# Altium PCB Angler_Main_PCB_V2.PcbDoc (part 1 of 2) (continued)
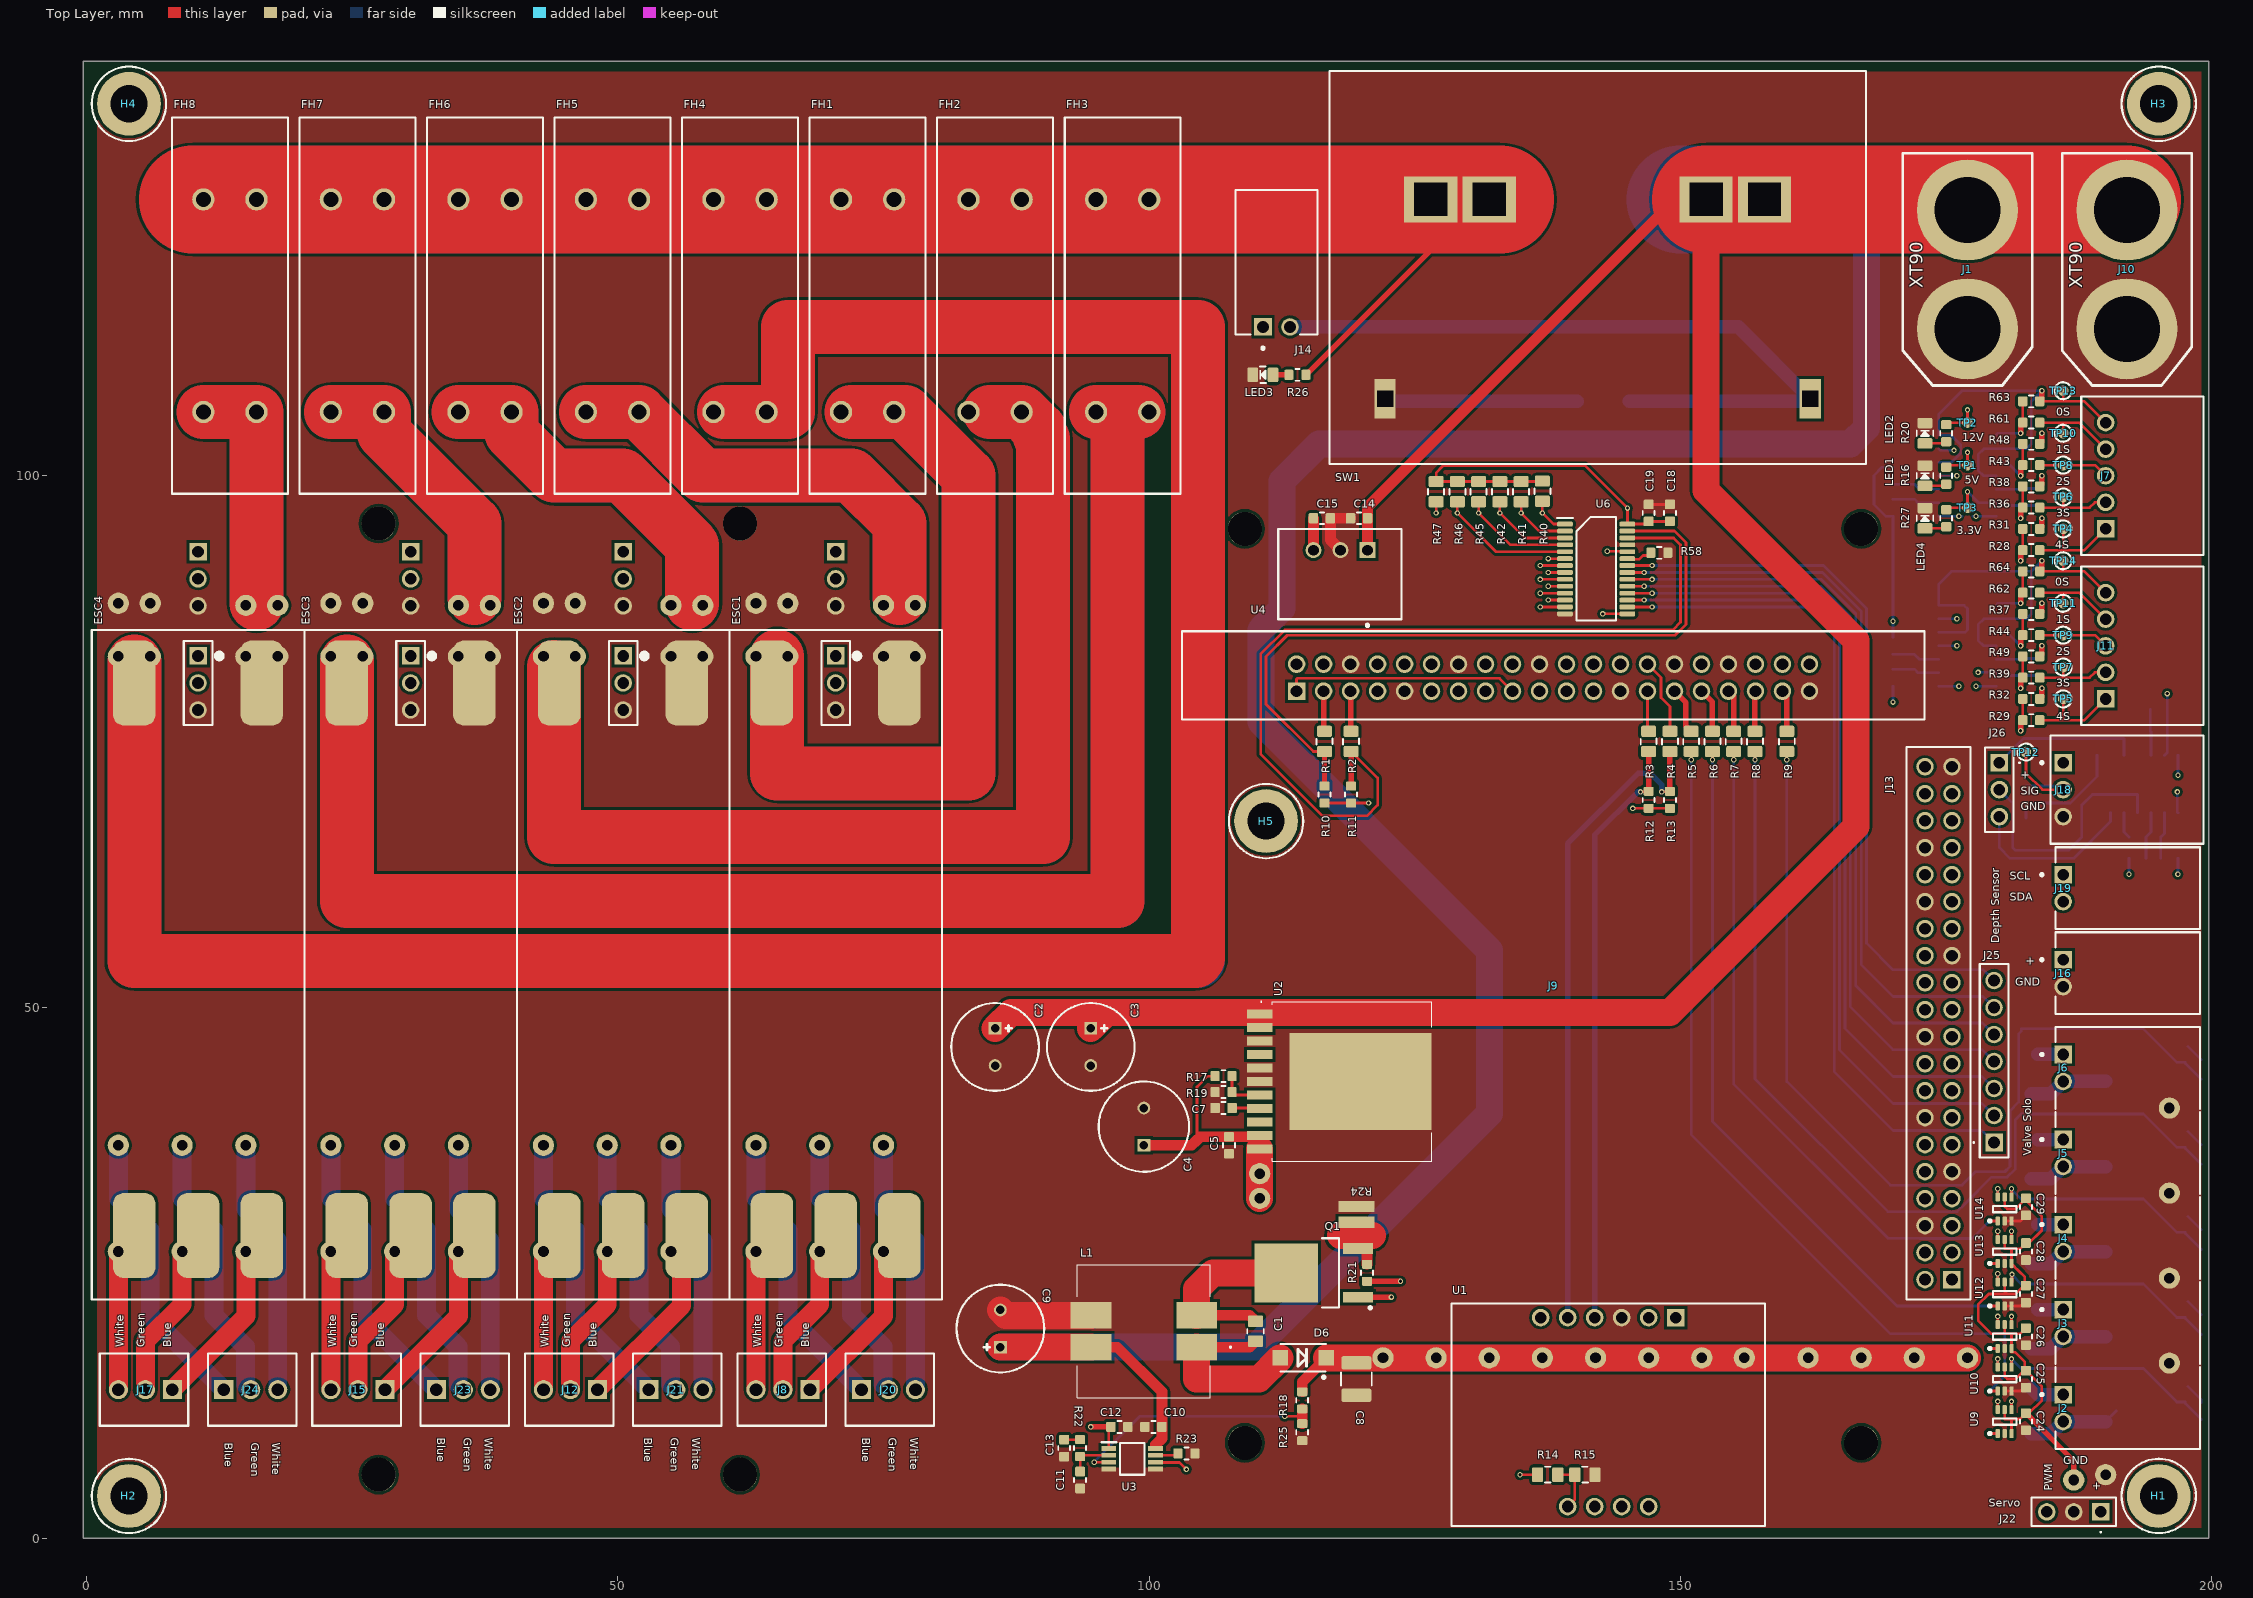
[diagram p0: Top Layer view]
## Components (designator, comment, footprint, x,y, rotation, side; value= is the part's Value field where it differs from the comment) (continued)
R33 "RES SMD 10K OHM 1% 1/10W 0603" RESC1608X06N 170,97 r90 bottom locked value=10K
R34 "RES SMD 10K OHM 1% 1/10W 0603" RESC1608X06N 172,97 r90 bottom locked value=10K
R35 "RES SMD 10K OHM 1% 1/10W 0603" RESC1608X06N 172,100 r270 bottom locked value=10K
R36 "RES SMD 86.6K OHM 1% 1/10W 0603" RESC1608X06N 183,97 r0 top locked value=86.6K
R37 "RES SMD 86.6K OHM 1% 1/10W 0603" RESC1608X06N 183,81 r0 top locked value=86.6K
R38 "RES SMD 28.7K OHM 1% 1/10W 0603" RESC1608X06N 183,99 r180 top locked value=28.7K
R39 "RES SMD 28.7K OHM 1% 1/10W 0603" RESC1608X06N 183,83 r180 top locked value=28.7K
R40 "RES SMD 0 OHM JUMPER 1/8W 0805" RESC2012X07N 137,98.55 r270 top value=0R
R41 "RES SMD 0 OHM JUMPER 1/8W 0805" RESC2012X07N 135,98.5 r270 top value=0R
R42 "RES SMD 0 OHM JUMPER 1/8W 0805" RESC2012X07N 133,98.5 r270 top value=0R
R43 "RES SMD 47K OHM 1% 1/10W 0603" RESC1608X06N 183,101 r0 top locked value=47K
R44 "RES SMD 47K OHM 1% 1/10W 0603" RESC1608X06N 183,85 r0 top locked value=47K
R45 "RES SMD 0 OHM JUMPER 1/8W 0805" RESC2012X07N 131,98.5 r270 top value=0R
R46 "RES SMD 0 OHM JUMPER 1/8W 0805" RESC2012X07N 129,98.5 r270 top value=0R
R47 "RES SMD 0 OHM JUMPER 1/8W 0805" RESC2012X07N 127,98.5 r270 top value=0R
R48 "RES SMD 28.7K OHM 1% 1/10W 0603" RESC1608X06N 183,103 r180 top locked value=28.7K
R49 "RES SMD 28.7K OHM 1% 1/10W 0603" RESC1608X06N 183,87 r180 top locked value=28.7K
R50 "RES SMD 10K OHM 1% 1/10W 0603" RESC1608X06N 170,84 r270 bottom locked value=10K
R51 "RES SMD 10K OHM 1% 1/10W 0603" RESC1608X06N 137,98.5 r270 bottom value=10K
R52 "RES SMD 10K OHM 1% 1/10W 0603" RESC1608X06N 135,98.5 r270 bottom value=10K
R53 "RES SMD 10K OHM 1% 1/10W 0603" RESC1608X06N 133,98.5 r270 bottom value=10K
R54 "RES SMD 10K OHM 1% 1/10W 0603" RESC1608X06N 131,98.5 r270 bottom value=10K
R55 "RES SMD 10K OHM 1% 1/10W 0603" RESC1608X06N 129,98.5 r270 bottom value=10K
R56 "RES SMD 10K OHM 1% 1/10W 0603" RESC1608X06N 127,98.5 r270 bottom value=10K
R57 "RES SMD 10K OHM 1% 1/10W 0603" RESC1608X06N 170,81 r90 bottom locked value=10K
R58 "RES SMD 10K OHM 1% 1/10W 0603" RESC1608X06N 148,92.75 r180 top value=10K
R59 "RES SMD 10K OHM 1% 1/10W 0603" RESC1608X06N 172,81 r90 bottom locked value=10K
R60 "RES SMD 10K OHM 1% 1/10W 0603" RESC1608X06N 172,84 r270 bottom locked value=10K
R61 "RES SMD 10K OHM 1% 1/10W 0603" RESC1608X06N 183,105 r0 top locked value=10K
R62 "RES SMD 10K OHM 1% 1/10W 0603" RESC1608X06N 183,89 r0 top locked value=10K
R63 "RES SMD 28.7K OHM 1% 1/10W 0603" RESC1608X06N 183,107 r180 top locked value=28.7K
R64 "RES SMD 28.7K OHM 1% 1/10W 0603" RESC1608X06N 183,91 r180 top locked value=28.7K
R65 "RES SMD 4.53K OHM 1% 1/10W 0603" RESC1608X06N 182.5,70 r90 bottom value=4.53K
R66 "RES SMD 10K OHM 1% 1/10W 0603" RESC1608X06N 182.5,67 r90 bottom value=10K
R67 "RES SMD 10K OHM 1% 1/10W 0603" RESC1608X06N 193,64 r0 bottom value=10K
R68 "RES SMD 10K OHM 1% 1/10W 0603" RESC1608X06N 196,64 r180 bottom value=10K
R69 "RES SMD 10K OHM 1% 1/10W 0603" RESC1608X06N 196,66 r180 bottom value=10K
R70 "RES SMD 10K OHM 1% 1/10W 0603" RESC1608X06N 193,66 r0 bottom value=10K
R71 "RES SMD 100 OHM 1% 1/10W 0603" RESC1608X06N 199,12 r90 bottom value=100R
R72 "RES SMD 100 OHM 1% 1/10W 0603" RESC1608X06N 199,36 r90 bottom value=100R
R73 "RES SMD 10K OHM 1% 1/10W 0603" RESC1608X06N 197.5,12.05 r90 bottom value=10K
R74 "RES SMD 10K OHM 1% 1/10W 0603" RESC1608X06N 197.5,36 r90 bottom value=10K
R75 "RES SMD 100 OHM 1% 1/10W 0603" RESC1608X06N 199,44 r90 bottom value=100R
R76 "RES SMD 10K OHM 1% 1/10W 0603" RESC1608X06N 197.5,44 r90 bottom value=10K
R77 "RES SMD 100 OHM 1% 1/10W 0603" RESC1608X06N 199,20 r90 bottom value=100R
R78 "RES SMD 10K OHM 1% 1/10W 0603" RESC1608X06N 197.5,20 r90 bottom value=10K
R79 "RES SMD 100 OHM 1% 1/10W 0603" RESC1608X06N 199,28 r90 bottom value=100R
R80 "RES SMD 10K OHM 1% 1/10W 0603" RESC1608X06N 197.5,28 r90 bottom value=10K
SW1 "RELAY GEN PURPOSE SPST-NO 100A 12VDC" "G7EB-1A DC12" 142.2,119.6 r0 top locked value="100A 12VDC"
TP1 "Testpoint 1mm SMD Pad" TP_SMD_1.0MM 177,101 r0 top value=TP_SMD_1.0MM
TP2 "Testpoint 1mm SMD Pad" TP_SMD_1.0MM 177,105 r90 top value=TP_SMD_1.0MM
TP3 "Testpoint 1mm SMD Pad" TP_SMD_1.0MM 177,97 r90 top value=TP_SMD_1.0MM
TP4 "Testpoint 1mm SMD Pad" TP_SMD_1.0MM 186,95 r90 top locked value=TP_SMD_1.0MM
TP5 "Testpoint 1mm SMD Pad" TP_SMD_1.0MM 186,79 r90 top locked value=TP_SMD_1.0MM
TP6 "Testpoint 1mm SMD Pad" TP_SMD_1.0MM 186,98 r90 top locked value=TP_SMD_1.0MM
TP7 "Testpoint 1mm SMD Pad" TP_SMD_1.0MM 186,82 r90 top locked value=TP_SMD_1.0MM
TP8 "Testpoint 1mm SMD Pad" TP_SMD_1.0MM 186,101 r90 top locked value=TP_SMD_1.0MM
TP9 "Testpoint 1mm SMD Pad" TP_SMD_1.0MM 186,85 r90 top locked value=TP_SMD_1.0MM
TP10 "Testpoint 1mm SMD Pad" TP_SMD_1.0MM 186,104 r90 top locked value=TP_SMD_1.0MM
TP11 "Testpoint 1mm SMD Pad" TP_SMD_1.0MM 186,88 r90 top locked value=TP_SMD_1.0MM
TP12 "Testpoint 1mm SMD Pad" TP_SMD_1.0MM 182.5,74 r90 top value=TP_SMD_1.0MM
TP13 "Testpoint 1mm SMD Pad" TP_SMD_1.0MM 186,108 r90 top value=TP_SMD_1.0MM
TP14 "Testpoint 1mm SMD Pad" TP_SMD_1.0MM 186,92 r90 top value=TP_SMD_1.0MM
U1 "IC BNO055" BNO055 149.54,20.78 r180 top locked value=BNO055
U2 "DC DC CONVERTER 0.8-6V 10A" LMZ12010TZENOPB 118.5,43 r270 top value="DC DC 0.8-6V 10A"
U3 "IC REG CTRLR MULT TOP 8VSSOP" SOP65P490X110-8N 98.4,7.5 r0 top value=LM3488MM/NOPB
U4 "DC DC CONVERTER 3.3V 2W" SHDRV3W100P0_254_1X3_1160X850X1040P 120.54,93 r180 top
U5 "IC ADC 18BIT SIGMA-DELTA 14SOIC" SOIC127P600X175-14N 177,100 r180 bottom locked value=MCP3424-E/SL
U6 "IC LED DRVR LIN DIM 25MA 28TSSOP" SOP65P640X110-28N 142.062,91.225 r0 top value=PCA9685PW,112
U7 "IC ADC 18BIT SIGMA-DELTA 14SOIC" SOIC127P600X175-14N 177,84 r180 bottom locked value=MCP3424-E/SL
U8 "IC ADC 18BIT SIGMA-DELTA 14SOIC" SOIC127P600X175-14N 193,71 r270 bottom value=MCP3424-E/SL
U9 "IC CONFIG MULT-FUNC GATE SOT23-6" SOT65P210X110-6N_SN74LVC1G97DCK 180.5,11 r90 top value=SN74LVC1G97DBVR
U10 "IC CONFIG MULT-FUNC GATE SOT23-6" SOT65P210X110-6N_SN74LVC1G97DCK 180.5,15 r90 top value=SN74LVC1G97DBVR
U11 "IC CONFIG MULT-FUNC GATE SOT23-6" SOT65P210X110-6N_SN74LVC1G97DCK 180.5,19 r90 top value=SN74LVC1G97DBVR
U12 "IC CONFIG MULT-FUNC GATE SOT23-6" SOT65P210X110-6N_SN74LVC1G97DCK 180.5,23 r90 top value=SN74LVC1G97DBVR
U13 "IC CONFIG MULT-FUNC GATE SOT23-6" SOT65P210X110-6N_SN74LVC1G97DCK 180.5,27 r90 top value=SN74LVC1G97DBVR
U14 "IC CONFIG MULT-FUNC GATE SOT23-6" SOT65P210X110-6N_SN74LVC1G97DCK 180.5,31 r90 top value=SN74LVC1G97DBVR

## Footprints (in the part's own frame and the unit in brackets; to place one, negate y for a bottom-side part, rotate by r counter-clockwise, add the part's x,y. Pads: shape width x height; smd on the part's side, far side on the other; paste and mask are expansions set on the pad)
67997-140HLF [mm] "CONN HEADER VERT 40POS"
  rect 1.65x1.65 hole 1.1: 1(-24.13,-7.27)
  round 1.65 hole 1.1: 2(-24.13,-4.73) 3(-21.59,-7.27) 4(-21.59,-4.73) 5(-19.05,-7.27) 6(-19.05,-4.73) 7(-16.51,-7.27) 8(-16.51,-4.73) 9(-13.97,-7.27) 10(-13.97,-4.73) 11(-11.43,-7.27) 12(-11.43,-4.73) 13(-8.89,-7.27) 14(-8.89,-4.73) 15(-6.35,-7.27) 16(-6.35,-4.73) 17(-3.81,-7.27) 18(-3.81,-4.73) 19(-1.27,-7.27) 20(-1.27,-4.73) 21(1.27,-7.27) 22(1.27,-4.73) 23(3.81,-7.27) 24(3.81,-4.73) 25(6.35,-7.27) 26(6.35,-4.73) 27(8.89,-7.27) 28(8.89,-4.73) 29(11.43,-7.27) 30(11.43,-4.73) 31(13.97,-7.27) 32(13.97,-4.73) 33(16.51,-7.27) 34(16.51,-4.73) 35(19.05,-7.27) 36(19.05,-4.73) 37(21.59,-7.27) 38(21.59,-4.73) 39(24.13,-7.27) 40(24.13,-4.73)
  silkscreen extent -26,-9 26,-3, body extent -25.4,-8.54 25.4,-3.46, height 8.77
61300311121 [mm]
  rect 1.65x1.65 hole 1.1: 1(0,0)
  round 1.65 hole 1.1: 2(2.54,0) 3(5.08,0)
  silkscreen extent -1.42,-1.35 6.51,1.91, body extent -1.27,-1.27 6.35,1.27, height 8.57
61300711121 [mm]
  rect 1.65x1.65 hole 1.1: 1(0,0)
  round 1.65 hole 1.1: 2(2.54,0) 3(5.08,0) 4(7.62,0) 5(10.16,0) 6(12.7,0) 7(15.24,0)
  silkscreen extent -1.42,-1.35 16.8,1.93, body extent -1.27,-1.26 16.51,1.28, height 8.67
BNO055 [mm]
  rect 1.65x1.65 hole 1.1: 1(0,0)
  round 1.65 hole 1.1: 2(2.54,0) 3(5.08,0) 4(7.62,0) 5(10.16,0) 6(12.7,0) 7(10.16,17.78) 8(7.62,17.78) 9(5.08,17.78) 10(2.54,17.78)
  silkscreen extent -8.4,-1.35 21.1,19.6, body extent -1.32,-1.27 13.92,19.05, height 8.25
CAPC1608X09N [mm] "0603, Body 1.6x0.8x0.94mm, IPC Medium Density"
  rrect25% 0.9x0.95 smd paste+0 mask+0.064: 1(-0.8,0) 2(0.8,0)
  silkscreen extent -0.2,-0.56 0.2,0.56, body extent -0.87,-0.48 0.87,0.48, height 0.87
CAPC2012X14N [mm] "0805, Body 2.00x1.25x1.40mm, IPC Medium Density"
  rrect20% 1.1x1.4 smd mask+0.064: 1(-0.95,0) 2(0.95,0)
  silkscreen extent -0.23,-0.77 0.23,0.77, body extent -1.07,-0.7 1.08,0.7, height 1.4
CAPC3225X28N [mil] "1210, Body 3.20x2.50x2.8mm, IPC Medium Density"
  rrect25% 49x110.2 smd mask+2.5: 1(-60,0) 2(60,0)
  silkscreen extent -24,-57 24,57, body extent -71,-55 71,55, height 110
CAPPRD350W60D825H1700 [mm]
  rect 1.2x1.2 hole 0.8: 1(0,0)
  round 1.2 hole 0.8: 2(3.5,0)
  silkscreen extent -2.37,-4.13 5.87,4.13, body extent -2.5,-4.25 6,4.25, height 17
CAPPRD350W60D850H1300 [mm]
  rect 1.2x1.2 hole 0.8: 1(0,0)
  round 1.2 hole 0.8: 2(3.5,0)
  silkscreen extent -2.5,-4.25 6,4.25, body extent -2.5,-4.25 6,4.25, height 13
DIOM5226X295N [mm]
  rect 2.35x1.6 smd: A(2.15,0) K(-2.15,0)
  silkscreen extent -2.62,-1.31 2.62,1.7, body extent -2.62,-1.31 2.62,1.31, height 2.95
DRQ125100R [mm]
  rect 3.85x2.5 smd: 1(-4.975,1.5) 2(-4.975,-1.5) 3(4.975,-1.5) 4(4.975,1.5)
  silkscreen extent -8.2,-6.25 6.25,6.25
"ESC BR" [mm]
  rrect50% 8x4 smd: A(47,6) B(47,0) BAT+(-5,-6) BAT-(-5,6) C(47,-6)
  round 1.65 hole 1.1: GND(-2.46,0) NC(-5,0)
  rect 1.65x1.65 hole 1.1: PWM(-7.54,0)
  silkscreen extent -10,-10 53,10, body extent -8.81,-8.6 46.7,8.5, height 8.57
FUSE-HOLDER(5X20) [mm]
  round 2.1 hole 1.4: 1(-10,-2.5) 1(-10,2.5) 2(10,-2.5) 2(10,2.5)
  silkscreen extent -17.7,-5.45 17.7,5.45, body extent -17.7,-5.45 17.7,5.45, height 12.7
"G7EB-1A DC12" [mm] "G7EB-1A DC12"
  rect 2x3.7 hole 1.5 square: 1(-20,-12.35) 2(20,-12.35)
  rect 5x4.3 hole 3.1 square: 3(-15.7,6.4) 3(-10.2,6.4) 4(10.2,6.4) 4(15.7,6.4)
  silkscreen extent -25.25,-18.5 25.25,18.5, body extent -25.25,-18.5 25.25,18.5, height 40.5
"Jetson Nano" [mm]
  rect 1.65x1.65 hole 1.1: 1(-24.13,-7.27)
  round 1.65 hole 1.1: 2(-24.13,-4.73) 3(-21.59,-7.27) 4(-21.59,-4.73) 5(-19.05,-7.27) 6(-19.05,-4.73) 7(-16.51,-7.27) 8(-16.51,-4.73) 9(-13.97,-7.27) 10(-13.97,-4.73) 11(-11.43,-7.27) 12(-11.43,-4.73) 13(-8.89,-7.27) 14(-8.89,-4.73) 15(-6.35,-7.27) 16(-6.35,-4.73) 17(-3.81,-7.27) 18(-3.81,-4.73) 19(-1.27,-7.27) 20(-1.27,-4.73) 21(1.27,-7.27) 22(1.27,-4.73) 23(3.81,-7.27) 24(3.81,-4.73) 25(6.35,-7.27) 26(6.35,-4.73) 27(8.89,-7.27) 28(8.89,-4.73) 29(11.43,-7.27) 30(11.43,-4.73) 31(13.97,-7.27) 32(13.97,-4.73) 33(16.51,-7.27) 34(16.51,-4.73) 35(19.05,-7.27) 36(19.05,-4.73) 37(21.59,-7.27) 38(21.59,-4.73) 39(24.13,-7.27) 40(24.13,-4.73)
  round 3.2 hole 3.2 unplated: MH1(-29,8) MH2(29,8) MH3(-29,-78) MH4(29,-78)
  silkscreen extent -34.93,-9.93 34.97,-1.63, body extent -48.51,-88 32.51,12, height 48.28
LED0805 [mm] "0805, Body 2.00x1.25x1.0mm, IPC Medium Density"
  rrect30% 1x1.4 smd mask+0.064: A(0.95,0) K(-0.95,0)
  silkscreen extent -0.28,-0.77 0.28,0.77, body extent -1,-0.63 1,0.63, height 0.7
LMZ12010TZENOPB [mm]
  rect 0.86x2.41 smd: 1(-6.35,-8.102) 2(-5.08,-8.102) 3(-3.81,-8.102) 4(-2.54,-8.102) 5(-1.27,-8.102) 6(0,-8.102) 7(1.27,-8.102) 8(2.54,-8.102) 9(3.81,-8.102) 10(5.08,-8.102) 11(6.35,-8.102)
  rect 9.126x13.37 smd: 12(0,1.398)
  silkscreen extent -7.55,-8 7.5,8.1, body extent -7.5,-6.9 7.5,8.1, height 10
MH_PTH_H3.0mmXP6.0mm [mm] "Plated Through Hole, 3.0mm hole x 6.0mm pad"
  round 6 hole 3.5 mask+0.064: 1(0,0)
  silkscreen extent -3.5,-3.5 3.5,3.5
RESC1608X06N [mm] "0603, Body 1.5x0.8x0.55mm, IPC Medium Density"
  rrect25% 0.85x0.95 smd paste+0 mask+0.064: 1(-0.8,0) 2(0.8,0)
  silkscreen extent -0.2,-0.56 0.2,0.56, body extent -0.85,-0.45 0.85,0.45, height 0.55
RESC1632X60N [mm]
  rect 1.05x3.4 smd: 1(-0.75,0) 2(0.75,0)
  body extent -0.8,-1.6 0.8,1.6, height 0.6
RESC2012X07N [mm] "0805, Body 2.0x1.3x0.7mm, IPC Medium Density"
  rrect25% 1.05x1.4 smd paste+0 mask+0.064: 1(-0.95,0) 2(0.95,0)
  silkscreen extent -0.28,-0.75 0.28,0.75, body extent -1.1,-0.67 1.1,0.68, height 0.7
SHDR3W89P0X254_1X3_1017X1359X699P [mm]
  rect 1.65x1.65 hole 1.1: 1(0,0)
  round 1.65 hole 1.1: 2(2.54,0) 3(5.08,0)
  silkscreen extent -2.54,-2.12 7.63,13.21, body extent -2.56,-0.7 7.6,12.89, height 7.06
SHDR3W100P0X254_1X3_808X650X1030P [mm]
  rect 1.8x1.8 hole 1.2: 1(0,0)
  round 1.8 hole 1.2: 2(2.54,0) 3(5.08,0)
  silkscreen extent -1.5,-3.4 6.83,3.4, body extent -1.5,-3.25 6.58,3.25, height 10
SHDR5W64P0X250_1X5_1490X1150X610P [mm]
  rect 1.65x1.65 hole 1.1: 1(0,0)
  round 1.65 hole 1.1: 2(-2.5,0) 3(-5,0) 4(-7.5,0) 5(-10,0)
  silkscreen extent -12.45,-2.3 2.45,9.2, body extent -12.45,-2.35 2.45,9.15, height 6.15
SHDRRA2W109P0_254_1X2_762X1359X699P [mm]
  rect 1.65x1.65 hole 1.1: 1(0,0)
  round 1.65 hole 1.1: 2(-2.54,0)
  silkscreen extent -5.12,-12.9 2.58,2.12, body extent -4.97,-12.89 2.4,0.7, height 7.06
SHDRV3W100P0_254_1X3_1160X850X1040P [mm]
  rect 1.5x1.5 hole 1: 1(0,0)
  round 1.5 hole 1: 2(2.54,0) 3(5.08,0)
  silkscreen extent -3.21,-2 8.39,7.2, body extent -3.26,-2.09 8.34,6.41, height 10.4
SODFL5226X100N [mm]
  rect 1.45x1.49 smd: A(2.175,0) K(-2.175,0)
  silkscreen extent -2.12,-1.3 2.12,1.95, body extent -2.6,-1.3 2.6,1.3, height 1
SOIC127P600X175-14N [mm]
  rrect50% 1.5x0.65 smd: 1(-2.7,3.81) 2(-2.7,2.54) 3(-2.7,1.27) 4(-2.7,0) 5(-2.7,-1.27) 6(-2.7,-2.54) 7(-2.7,-3.81) 8(2.7,-3.81) 9(2.7,-2.54) 10(2.7,-1.27) 11(2.7,0) 12(2.7,1.27) 13(2.7,2.54) 14(2.7,3.81)
  silkscreen extent -3.45,-4.33 1.6,4.48, body extent -3,-4.33 3,4.33, height 1.75
SOP65P490X110-8N [mm]
  rect 1.4x0.45 smd: 1(-2.2,0.975) 2(-2.2,0.325) 3(-2.2,-0.325) 4(-2.2,-0.975) 5(2.2,-0.975) 6(2.2,-0.325) 7(2.2,0.325) 8(2.2,0.975)
  silkscreen extent -2.9,-1.5 1.15,1.55, body extent -2.45,-1.5 2.45,1.5, height 1.1
SOP65P640X110-28N [mm]
  rrect50% 1.475x0.45 smd: 1(-2.938,4.225) 2(-2.938,3.575) 3(-2.938,2.925) 4(-2.938,2.275) 5(-2.938,1.625) 6(-2.938,0.975) 7(-2.938,0.325) 8(-2.938,-0.325) 9(-2.938,-0.975) 10(-2.938,-1.625) 11(-2.938,-2.275) 12(-2.938,-2.925) 13(-2.938,-3.575) 14(-2.938,-4.225) 15(2.938,-4.225) 16(2.938,-3.575) 17(2.938,-2.925) 18(2.938,-2.275) 19(2.938,-1.625) 20(2.938,-0.975) 21(2.938,-0.325) 22(2.938,0.325) 23(2.938,0.975) 24(2.938,1.625) 25(2.938,2.275) 26(2.938,2.925) 27(2.938,3.575) 28(2.938,4.225)
  silkscreen extent -3.67,-4.85 1.85,4.9, body extent -3.2,-4.85 3.2,4.85, height 1.1
SOT65P210X110-6N_SN74LVC1G97DCK [mm] "SOT23, 6-Leads, Body 2.00x2.10mm, Pitch 0.65mm, IPC Medium Density"
  rrect50% 0.85x0.4 smd: 1(-1.125,0.65) 2(-1.125,0) 3(-1.125,-0.65) 4(1.125,-0.65) 5(1.125,0) 6(1.125,0.65)
  silkscreen extent -1.25,-1.1 0.3,1.52, body extent -1.2,-1.07 1.2,1.07, height 1.1
TO229P990X238-4N [mm]
  rect 2.85x1 smd: 1(-4.15,2.29) 3(-4.15,-2.29)
  rect 5.95x5.55 smd: 4(2.6,0)
  silkscreen extent -5.43,-3.25 -0.75,3.42, body extent -4.81,-3.27 5.13,3.27, height 2.34
TP_SMD_1.0MM [mm]
  round 1 smd paste-1 mask+0.064: 1(0,0)
XT90 [mm] "XT90 Connector"
  round 9.5 hole 6.2: 1(0,0) 2(11.176,0)
  silkscreen extent -5.33,-6.1 16.51,6.1, body extent -5.1,-5.8 16.3,5.2, height 20.7

## Part data
C1: VOLTAGE=35V, COST=0.40, MFG="Murata Electronics", MFG_PART_NO=GRM219R6YA475KA73D
C2 C3 C9: DIELECTRIC=ALUM, TOLERANCE=20%, VOLTAGE=100V, COST=0.18, MFG=Nichicon, MFG_PART_NO=UPM2A330MPD1TD
C4: DIELECTRIC=ALUM, TOLERANCE=20%, VOLTAGE=25V, COST=0.53, MFG=KEMET, MFG_PART_NO=ESL337M025AGMAA
C5 C11: DIELECTRIC=X7R, TOLERANCE=10%, VOLTAGE=50V, COST=0.14, MFG=Yageo
  C5: MFG_PART_NO=CC0603KRX7R9BB473
  C11: MFG_PART_NO=CC0603KRX7R9BB202
C7 C13: DIELECTRIC=X7R, TOLERANCE=10%, VOLTAGE=16V, COST=0.14, MFG=Samsung, MFG_PART_NO=CL10B474KO8NNNC
C8: DIELECTRIC=X7S, TOLERANCE=20%, VOLTAGE=25V, COST=1.55, MFG="Taiyo Yuden", MFG_PART_NO=TMK325B7226KMHP
C10: DIELECTRIC=X7R, TOLERANCE=10%, VOLTAGE=25V, COST=0.14, MFG=Yageo, MFG_PART_NO=CC0603KRX7R8BB104
C12: DIELECTRIC=X7R, TOLERANCE=10%, VOLTAGE=50, COST=0.16, MFG=Yageo, MFG_PART_NO=CC0603KRX7R9BB751
C14 C15 C17 C18 C21 C23: DIELECTRIC=X5R, TOLERANCE=20%, VOLTAGE=25V, COST=0.14, MFG=KEMET, MFG_PART_NO=C1608X5R1E106M080AC
C16 C19 C20 C22 C24 C25 C26 C27 C28 C29: DIELECTRIC=X7R, TOLERANCE=20%, VOLTAGE=16V, COST=0.14, MFG=KEMET, MFG_PART_NO=C0603C104M4RACTU
D1 D2 D3 D4 D5 D7: CURRENT=1A, COST=0.17, MFG="SMC Diode Solutions", MFG_PART_NO=S1GTR, VR=400V
D6: CURRENT=5A, COST=0.55, MFG=Vishay, MFG_PART_NO=VSSAF510-M3/H, VF=750mV, VR=100V
ESC1 ESC2 ESC3 ESC4 ESC5 ESC6 ESC7 ESC8: VOLTAGE="7-26 V 30A", COST1K=25, MFG="Blue Robotics", MFG_PART_NO=BESC30-R3, ROHS=Y
FH1 FH2 FH3 FH4 FH5 FH6 FH7 FH8: VOLTAGE=600V, COST=2.89, HOLD=14A, MFG="Schurter Inc.", MFG_PART_NO=0031.8231, TRIP=15A
H1 H2 H3 H4 H5: "PTH, 3.0mm"
R10 R11 R12 R13 R16 R17 R18 R19 R20 R21 R22 R23 R24 R25 R26 R27 R28 R29 R30 R31 R32 R33 R34 R35 R36 R37 R38 R39 R43 R44 R48 R49 R50 R51 R52 R53 R54 R55 R56 R57 R58 R59 R60 R61 R62 R63 R64 R65 R66 R67 R68 R69 R70 R71 R72 R73 R74 R75 R76 R77 R78 R79 R80: TOLERANCE=1%
  R10 R11 R12 R13 R16 R20 R25 R26 R27 R34 R35 R51 R52 R53 R54 R55 R56 R58 R59 R61 R62 R66 R67 R69 R73 R74 R76 R78 R80: COST=0.15, MFG="Vishay Dale", MFG_PART_NO=CRCW060310K0FKEA
  R17: COST=0.15, MFG=Yageo, MFG_PART_NO=RC0603FR-075K62L
  R18: COST=0.15, MFG=Yageo, MFG_PART_NO=RC0603FR-0784K5L
  R19: COST=0.15, MFG=Yageo, MFG_PART_NO=RC0603FR-071K07L
  R21 R71 R72 R75 R77 R79: COST=0.15, MFG=Yageo, MFG_PART_NO=RC0603FR-07100RL
  R22: COST=0.15, MFG=Yageo, MFG_PART_NO=RC0603FR-07348RL
  R23: COST=0.15, MFG=Yageo, MFG_PART_NO=RC0603FR-0736KL
  R24: COST=1, MFG=Susumu, MFG_PART_NO=PRL1632-R013-F-T1
  R28 R29: COST=0.15, MFG="Vishay Dale", MFG_PART_NO=CRCW0603127KFKEA
  R30 R33 R50 R57 R60 R68 R70: COST=0.15, MFG="Vishay Dale", MFG_PART_NO=CRCW060310K0FKEA, NOSTUFF=DNP
  R31 R32 R38 R39 R48 R49 R63 R64: COST=0.15, MFG=Yageo, MFG_PART_NO=RC0603FR-0728K7L
  R36 R37: COST=0.15, MFG=Yageo, MFG_PART_NO=RC0603FR-0786K6L
  R43 R44: COST=0.15, MFG=Yageo, MFG_PART_NO=RC0603FR-0747KL
  R65: COST=0.15, MFG=Yageo, MFG_PART_NO=RC0603FR-074K53L
TP1 TP2 TP3 TP4 TP5 TP6 TP7 TP8 TP9 TP10 TP11 TP12 TP13 TP14: "Testpoint 1.0mm SMD Pad", ROHS=Y, STATUS=CHECKED
J1 J10: COST=5.66000, MFG=DFRobot, MFG_PART_NO=FIT0588
J2 J3 J4 J5 J6 J14 J16 J19: COST=1.12, MFG=Molex, MFG_PART_NO=0705530001
J7 J11: COST=0.43, MFG="JST Sales America Inc.", MFG_PART_NO=S5B-XH-A(LF)(SN)
J8 J12 J15 J17 J20 J21 J23 J24: COST=2.9, MFG="TE Connectivity", MFG_PART_NO=282834-3
J9: COST=60, MFG=Jetson, MFG_PART_NO=Nano
J13: COST=4.1, MFG=Amphenol, MFG_PART_NO=67997-140HLF
J18: COST=1.47, MFG=Molex, MFG_PART_NO=0705530002
J22 J26: COST=0.18, MFG="Wurth Electronics Inc.", MFG_PART_NO=61300311121
J25: COST=0.53, MFG="Wurth Electronics Inc.", MFG_PART_NO=61300711121
L1: MFG=Eaton, MFG_PART_NO=DRQ125-100-R
LED1 LED2 LED3 LED4: COST=0.26, MFG="Würth Elektronik", MFG_PART_NO=150080VS75000
Q1 Q2 Q3 Q4 Q5 Q6: COST=0.97, MFG="ON Semiconductor", MFG_PART_NO=NTD5865NLT4G
R1 R2 R3 R4 R5 R6 R7 R8 R9: COST=0.15, MFG=Panasonic, MFG_PART_NO=ERJ-6GEY0R00V
R14 R15 R40 R41 R42 R45 R46 R47: COST=0.15, MFG=Panasonic, MFG_PART_NO=ERJ-6GEY0R00V, NOSTUFF=DNP
SW1: COST=42.86, MFG=Omron, MFG_PART_NO="G7EB-1A DC12"
U1: COST=50, MFG="Adafruit Industries LLC", MFG_PART_NO=BNO055
U2: COST=24.09, MFG=TI, MFG_PART_NO=LMZ12010TZ/NOPB
U3: COST=3.29, MFG=TI, MFG_PART_NO=LM3488MM/NOPB
U4: COST=3.86, MFG="Recom Power", MFG_PART_NO=R-78E3.3-0.5
U5 U7 U8: COST=5.98, MFG="Microchip Technology", MFG_PART_NO=MCP3424-E/SL
U6: COST=3.46, MFG="NXP USA Inc.", MFG_PART_NO=PCA9685PW,112
U9 U10 U11 U12 U13 U14: COST=0.58, MFG=TI, MFG_PART_NO=SN74LVC1G97DBVR

## Free pads (board coordinates)
  round 2 hole 1: 2(3,27) 2(3,37) 2(3,83) 2(3,88) 2(6,83) 2(6,88) 2(9,27) 2(9,37) 2(15,27) 2(15,37) 2(15,83) 2(15,87.8) 2(18,83) 2(18,87.8) 2(23,27) 2(23,88) 2(23,37) 2(23,83) 2(26,88) 2(26,83) 2(29,27) 2(29,37) 2(35,27) 2(35,37) 2(35,83) 2(35,87.8) 2(38,83) 2(38,87.8) 2(43,27) 2(43,83) 2(43,88) 2(43,37) 2(46,83) 2(46,88) 2(49,27) 2(49,37) 2(55,27) 2(55,37) 2(55,83) 2(55,87.8) 2(58,83) 2(58,87.8) 2(63,27) 2(63,37) 2(63,83) 2(63,88) 2(66,83) 2(66,88) 2(69,37) 2(69,27) 2(75,27) 2(75,37) 2(75,83) 2(75,87.8) 2(78,83) 2(78,87.8) 2(110.398,32) 2(110.398,34.325) 2(122,17) 2(127,17) 2(132,17) 2(137,17) 2(142,17) 2(147,17) 2(152,17) 2(156,17) 2(162,17) 2(167,17) 2(172,17) 2(177,17) 2(187,5.5) 2(190,6) 2(196,16.5) 2(196,24.5) 2(196,32.5) 2(196,40.5)
  round 3.2 hole 3.2: 3(27.5,6) 3(27.5,95.5) 3(61.5,6) 3(61.5,95.5)

## Via types
v1: diameter 0.5, hole 0.3, Top Layer to Bottom Layer, 93 vias

## Nets (pads, with @x,y where several pads share a name; then routed paths per layer and width w, separated by ;. In a path a pad name is that pad's centre, name@x,y a point inside that pad or via, vN(x,y) a via of type N, cw(c..) or ccw(c..) an arc to the next point about the centre after c; other vN are vias at no path point)
3.3V: C15.2 C16.2 C17.2 C18.2 C19.2 C20.2 C21.2 C22.2 C23.2 C24.2 C25.2 C26.2 C27.2 C28.2 C29.2 J16.1 pad.2@187,5.5 R10.2 R11.2 R12.2 R13.2 R14.1 R27.2 R30.1 R33.1 R40.1 R41.1 R42.1 R45.1 R46.1 R47.1 R50.1 R57.1 R67.1 R68.1 TP3.1 U1.1 U4.3 U5.6 U6.28 U7.6 U8.6 U9.3 U9.5 U10.5 U11.3 U11.5 U12.5 U13.3 U13.5 U14.5 | length 149.8
  Top Layer w0.254: C15.2@115.45,96 C15.2@115.46,95.99 ; R10.2@116.5,69.2 R11.2@119,69.2 v1(120.65,69.2) ; v1(134.9,6) R14.1@136.55,6 ; R40.1@137,99.5 136.95,99.45 R41.1@135,99.45 R42.1@133,99.45 R45.1@131,99.45 R46.1@129,99.45 R47.1@127,99.45 127,100.279 127.671,100.95 141,100.95 v1(145,96.95) U6.28@145,95.45 146.75,95.45 C19.2@147,95.7 C18.2@149,95.7 ; v1(145.5,68.7) R12.2@147,68.7 R13.2@149,68.7 ; R27.2@175,96.8 175.2,97 TP3.1@177,97 v1(177,98.5) ; U9.5@180.5,12.125 180.5,11.25 181.25,11.25 ; U10.5@180.5,16.125 180.5,15.25 180.75,15 181.5,15 C25.2@182.4,15.9 ; U11.5@180.5,20.125 180.5,19.25 ; U12.5@180.5,24.125 180.5,23.25 180.75,23 ; U13.5@180.5,28.125 180.5,27.25 181.25,27.25 ; U14.5@180.5,32.125 180.5,31.25 180.75,31 181.5,31 C29.2@182.5,32 ; U9.3@181.15,9.875 181.15,11.15 181.25,11.25 ; U13.3@181.15,25.531 181.309,25.69 181.439,25.561 181.442,25.561 181.811,25.192 181.811,25.189 182.4,24.6 182.4,23.9 181.5,23 180.75,23 ; U13.3@181.15,25.875 181.15,27.15 181.25,27.25 ; C26.2@182.5,19.8 181.95,19.25 181.25,19.25 ; C28.2@182.5,27.8 181.95,27.25 181.25,27.25 ; C29.2@182.5,31.8 184,30.3 184,29 C28.2@182.8,27.8 ; 180.5,19.25 181.25,19.25 ; 180.5,19.25 179.25,19.25 178,20.5 178,22 179,23 180.75,23 ; 181.25,11.25 181.95,11.25 C24.2@182.5,11.8 182.8,11.8 184,13 184,14.3 C25.2@182.5,15.8 C25.2@182.4,15.9 ; 181.25,19.25 181.15,19.15 U11.3@181.15,17.875 181.15,17.531 181.469,17.531 182.4,16.6 C25.2@182.4,15.9
  Top Layer w0.508: C24.2@182.5,11.8 187,7.3 pad.2@187,5.5
  Top Layer w1.016: U4.3@115.46,93 C15.2@115.46,95.99
  Bottom Layer w0.254: v1(170,78.7) R57.1@170,80.2 ; R50.1@170,84.8 v1(170,86.3) R33.1@170,96.2 169.3,96.2 168.2,97.3 168.2,100.023 168.977,100.8 R30.1@170,100.8 ; v1(177,98.5) 178.04,97.46 U5.6@179.7,97.46 179.96,97.2 C16.2@182,97.2 C17.2@184,97.2 ; v1(178,81.5) U7.6@179.5,81.5 ; U7.6@179.7,81.46 179.96,81.2 C20.2@182,81.2 C21.2@184,81.2 ; v1(192.2,62.5) R67.1@192.2,64 ; U8.6@195.54,73.7 195.8,73.96 C23.2@195.8,78 v1(195.8,79.5) ; v1(196.8,62.5) R68.1@196.8,64
3.3V_Jetson_3: J9.1 J9.17 J13.1 J13.17 | length 164
  Top Layer w0.254: J9.1@113.87,79.73 113.87,80.87 113.936,80.936 132.984,80.936 J9.17@134.19,79.73
  Signal Layer 2 w0.254: J9.1@113.87,79.73 113.87,78.41 166.586,25.694 174.206,25.694 J13.1@175.54,24.36 ; J9.17@134.19,79.73 134.19,78.41 166.586,46.014 174.206,46.014 J13.17@175.54,44.68
5.0V: C4.1 C5.2 J9.2 J9.4 J13.2 J13.4 J18.1 J22.1 pad.2@110.398,32 pad.2@110.398,34.325 R16.2 R17.2 TP1.1 U2.10 U2.11 | length 194.1
  Top Layer w0.254: 104.4,37.4 104.5,37.5 104.5,42.5 105.5,43.5 R17.2@106.2,43.5 ; U2.10@110.278,37.8 U2.10@110.398,37.92 U2.11@110.398,36.65 ; R16.2@175,100.8 175.2,101 TP1.1@177,101 ; TP1.1@176.8,100.8 TP1.1@177,101 ; v1(177,102.2) TP1.1@177,101
  Top Layer w1.016: C4.1@99.5,37 104,37 104.4,37.4 ; 104.5,37.5 104.8,37.8 C5.2@107.5,37.8 U2.10@110.278,37.8
  Top Layer w2.54: pad.2@110.398,32 pad.2@110.398,34.325 U2.11@110.398,36.65
  Signal Layer 1 w0.254: J9.2@113.87,82.27 114.17,82.27 115.076,81.364 115.076,78.306 169.022,24.36 J13.2@173,24.36 ; J9.4@116.41,82.27 116.71,82.27 117.616,81.364 117.616,78.306 169.022,26.9 J13.4@173,26.9
12.0V: C8.1 D1.K D2.K D3.K D4.K D5.K D6.K J2.1 J3.1 J4.1 J5.1 J6.1 J14.1 pad.2@122,17 pad.2@127,17 pad.2@132,17 pad.2@137,17 pad.2@142,17 pad.2@147,17 pad.2@152,17 pad.2@156,17 pad.2@162,17 pad.2@167,17 pad.2@172,17 pad.2@177,17 R18.2 R20.2 TP2.1 | length 342.2
  Top Layer w0.254: R20.2@175,104.8 175.2,105 TP2.1@177,105 v1(177,106.2)
  Top Layer w1.016: R18.2@114.4,13.8 114.4,14.725 D6.K@116.675,17
  Top Layer w2.54: D6.K@116.675,17 pad.2@122,17 pad.2@127,17 pad.2@132,17 pad.2@137,17 pad.2@142,17 pad.2@147,17 pad.2@152,17 pad.2@156,17 pad.2@162,17 pad.2@167,17 pad.2@172,17 pad.2@177,17
  Signal Layer 1 w0.254: 153,99 153,100 168.292,100 174.492,106.2 v1(177,106.2)
  Signal Layer 1 w1.016: 183,29 183.54,29.54 ; 183,38 183.46,37.54
  Signal Layer 1 w1.27: J14.1@110.71,114 110.71,108.29 120,99 153,99 154,99 178,75 178,65 183,60 183,44 ; 183,22 183,29 183,38 183,44 ; 183.46,37.54 J5.1@186,37.54 ; 183.54,29.54 J4.1@186,29.54 ; J2.1@186,13.54 184.29,15.25 177,15.25 pad.2@177,17 177,22.75 177.5,23.25 181.25,23.25 182.96,21.54 J3.1@186,21.54 ; J6.1@186,45.54 184.54,45.54 183,44
  Bottom Layer w1.27: D1.K@183,14.15 183.61,13.54 J2.1@186,13.54 ; D2.K@183.61,21.54 J3.1@186,21.54 ; D3.K@183.61,29.54 J4.1@186,29.54 ; D4.K@183.61,37.54 J5.1@186,37.54 ; D5.K@183.61,45.54 J6.1@186,45.54
  Bottom Layer w2.54: pad.2@122,17 pad.2@127,17 pad.2@132,17 pad.2@137,17 pad.2@142,17 pad.2@147,17 pad.2@152,17 pad.2@156,17 pad.2@162,17 pad.2@167,17 pad.2@172,17 pad.2@177,17
12.0V_Relay: D7.K J14.2 SW1.2 | length 68.9
  Bottom Layer w0.254: SW1.2@161.95,107 SW1.2@162.2,107.25
  Bottom Layer w1.27: J14.2@113.25,114 155.45,114 SW1.2@162.2,107.25 ; D7.K@145.15,107 SW1.2@161.95,107
A0_5: R40.2 R51.2 U6.1 | length 4.8
  Top Layer w0.254: R40.2@137,97.55 v1(137,96.5) 138.05,95.45 U6.1@139.124,95.45
  Bottom Layer w0.254: v1(137,96.5) R51.2@137,97.7
A1_5: R41.2 R52.2 U6.2 | length 7.1
  Top Layer w0.254: R41.2@135,97.55 v1(135,96.5) 136.7,94.8 U6.2@139.124,94.8
  Bottom Layer w0.254: v1(135,96.5) R52.2@135,97.7
A2_5: R42.2 R53.2 U6.3 | length 9.3
  Top Layer w0.254: R42.2@133,97.55 v1(133,96.5) 135.35,94.15 U6.3@139.124,94.15
  Bottom Layer w0.254: v1(133,96.5) R53.2@133,97.7
A3_5: R45.2 R54.2 U6.4 | length 11.6
  Top Layer w0.254: R45.2@131,97.55 v1(131,96.5) 134,93.5 U6.4@139.124,93.5
  Bottom Layer w0.254: v1(131,96.5) R54.2@131,97.7
A4_5: R46.2 R55.2 U6.5 | length 13.9
  Top Layer w0.254: R46.2@129,97.55 v1(129,96.5) 132.65,92.85 U6.5@139.124,92.85
  Bottom Layer w0.254: v1(129,96.5) R55.2@129,97.7
A5_5: R47.2 R56.2 U6.24 | length 21.8
  Top Layer w0.254: v1(127,96.5) R47.2@127,97.55 ; v1(143.106,92.894) 144.956,92.894 U6.24@145,92.85
  Signal Layer 1 w0.254: v1(127,96.5) 130.606,92.894 v1(143.106,92.894)
  Bottom Layer w0.254: v1(127,96.5) R56.2@127,97.7
ESC1_PWM: ESC1.PWM U6.7 | length 85.5
  Top Layer w0.254: v1(136.8,91.55) U6.7@139.124,91.55
  Signal Layer 1 w0.254: ESC1.PWM@70.5,83.04 67.5,80.04 67.5,77.5 69,76 92,76 107.55,91.55 v1(136.8,91.55)
ESC2_PWM: ESC2.PWM U6.8 | length 106.2
  Top Layer w0.254: v1(137.55,90.9) U6.8@139.124,90.9
  Signal Layer 1 w0.254: ESC2.PWM@50.5,83.04 48,80.54 48,76 49,75 92.063,75 107.963,90.9 v1(137.55,90.9)
ESC3_PWM: ESC3.PWM U6.9 | length 127.1
  Top Layer w0.254: v1(136.8,90.25) U6.9@139.124,90.25
  Signal Layer 1 w0.254: ESC3.PWM@30.5,83.04 28,80.54 28,75.5 29.508,73.992 91.992,73.992 108.25,90.25 v1(136.8,90.25)
ESC4_PWM: ESC4.PWM U6.10 | length 148.5
  Top Layer w0.254: v1(137.55,89.6) U6.10@139.124,89.6
  Signal Layer 1 w0.254: ESC4.PWM@10.5,83.04 8,80.54 8,74 9,73 92,73 108.6,89.6 v1(137.55,89.6)
ESC5_PWM: ESC5.PWM U6.11 | length 71.9
  Top Layer w0.254: v1(136.8,88.95) U6.11@139.124,88.95
  Signal Layer 2 w0.254: ESC5.PWM@70.5,92.84 76.16,92.84 82,87 112,87 113.95,88.95 v1(136.8,88.95)
ESC6_PWM: ESC7.PWM U6.12 | length 121.8
  Top Layer w0.254: v1(137.55,88.3) U6.12@139.124,88.3
  Signal Layer 2 w0.254: ESC7.PWM@30.5,92.84 28.84,92.84 28,92 28,87 29.5,85.5 136.5,85.5 137.5,86.5 137.5,88.25 v1(137.55,88.3)
ESC7_PWM: ESC6.PWM U6.13 | length 98.3
  Top Layer w0.254: v1(136.8,87.65) U6.13@139.124,87.65
  Signal Layer 2 w0.254: ESC6.PWM@50.5,92.84 48,90.34 48,88 49.75,86.25 112.25,86.25 113.65,87.65 v1(136.8,87.65)
ESC8_PWM: ESC8.PWM U6.15 | length 147.3
  Top Layer w0.254: v1(142.676,87) U6.15@145,87
  Signal Layer 2 w0.254: ESC8.PWM@10.5,92.84 8.84,92.84 8,92 8,86 9.25,84.75 140.426,84.75 v1(142.676,87)
FB_4: R18.1 R25.2 U3.3 | length 24.1
  Top Layer w0.254: v1(94.825,7.175) U3.3@96.2,7.175 ; v1(112.75,11.5) 114.4,11.5
  Top Layer w1.016: R25.2@114.4,10.8 114.4,11.5 R18.1@114.4,12.2
  Bottom Layer w0.254: v1(94.825,7.175) 99.15,11.5 v1(112.75,11.5)